# KiCad board panel.kicad_pcb (continued)
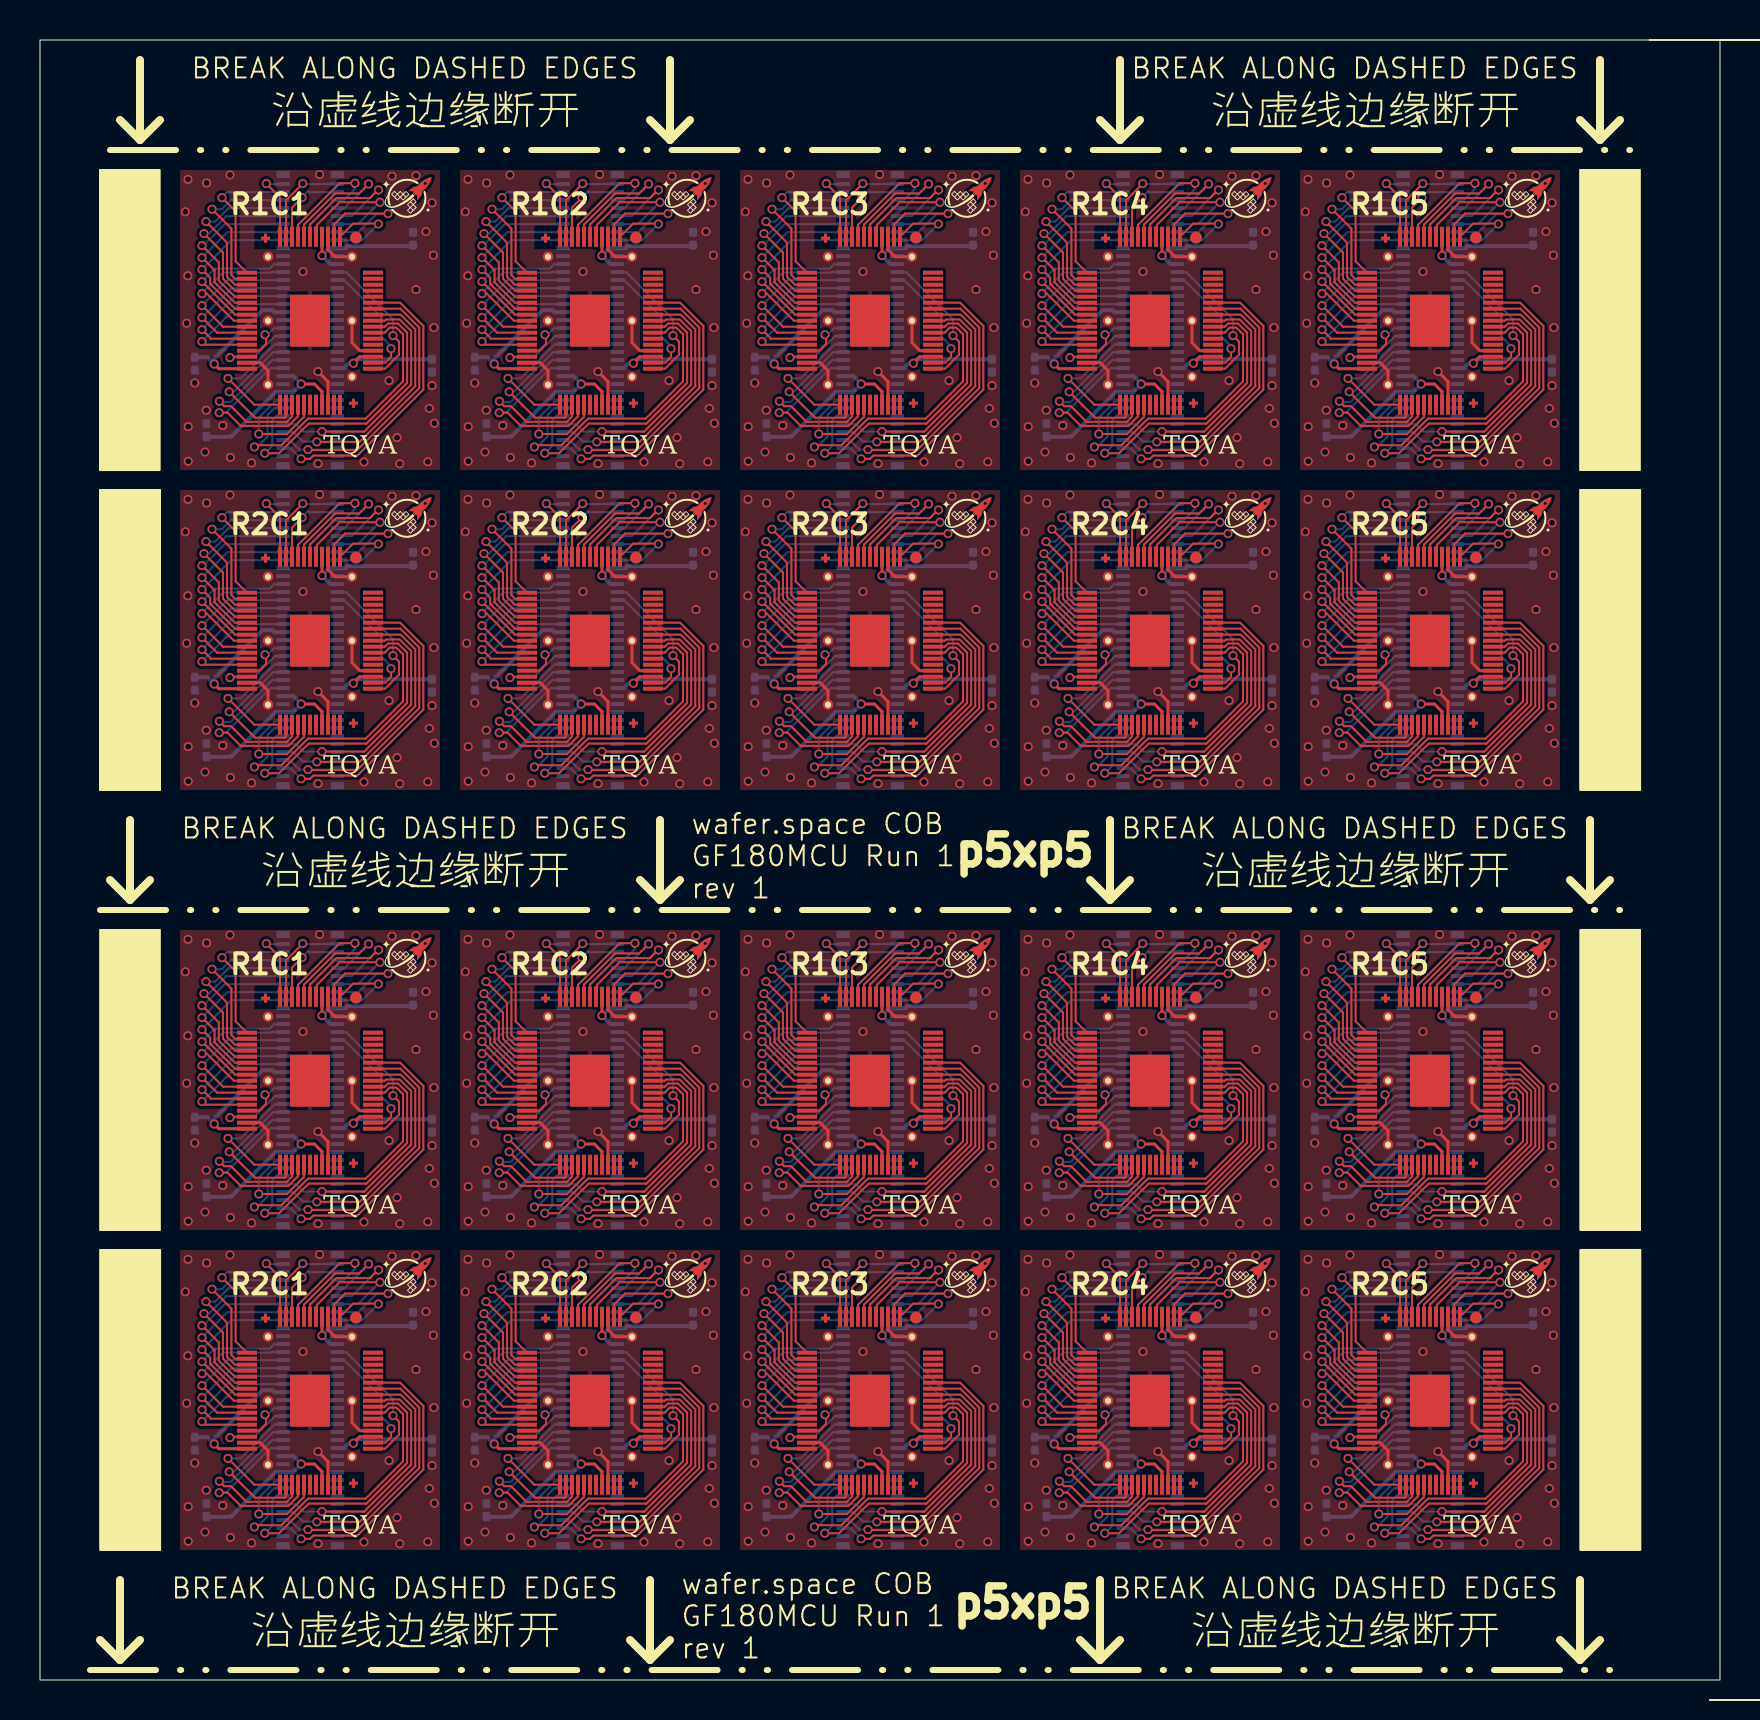
[diagram p0: board, top side]
## Routing (per net, layer and track width the routed paths; a pad name or vN(x,y) marks a point on that pad's centre or on a via; arc(x,y) is an arc through that point) (continued)
  Bottom w0.1: v1(42.1,46.42) 41.17,46.42 40.79,46.8 U115.40 ; v1(42.1,8.42) 41.17,8.42 40.79,8.8 U115#2.40 ; U103.40 26.79,62.8 27.17,62.42 v1(28.1,62.42) ; U111#2.40 12.79,8.8 13.17,8.42 v1(14.1,8.42) ; v1(42.1,24.42) 41.17,24.42 40.79,24.8 U105#2.40 ; v1(28.1,24.42) 27.17,24.42 26.79,24.8 U103#2.40 ; v1(56.1,46.42) 55.17,46.42 54.79,46.8 U117#2.40 ; v1(70.1,62.42) 69.17,62.42 68.79,62.8 U109.40 ; v1(70.1,24.42) 69.17,24.42 68.79,24.8 U109#2.40 ; U107#2.40 54.79,24.8 55.17,24.42 v1(56.1,24.42) ; v1(70.1,46.42) 69.17,46.42 68.79,46.8 U119.40 ; v1(14.1,24.42) 13.17,24.42 12.79,24.8 U101#2.40 ; v1(14.1,46.42) 13.17,46.42 12.79,46.8 U111.40 ; U117.40 54.79,8.8 55.17,8.42 v1(56.1,8.42) ; v1(56.1,62.42) 55.17,62.42 54.79,62.8 U107.40 ; v1(14.1,62.42) 13.17,62.42 12.79,62.8 U101.40 ; U113.40 26.79,8.8 27.17,8.42 v1(28.1,8.42) ; U113#2.40 26.79,46.8 27.17,46.42 v1(28.1,46.42) ; U119#2.40 68.79,8.8 69.17,8.42 v1(70.1,8.42) ; U105.40 40.79,62.8 41.17,62.42 v1(42.1,62.42)
/bidir_30: length 264.5
  Top w0.1: U106.49 46.03,30.27 46.76,29.53 46.76,26.69 43.98,23.91 v1(41.84,23.91) ; v1(13.84,23.91) 15.98,23.91 18.76,26.69 18.76,29.53 18.03,30.27 U102#2.49 ; U114#2.49 32.03,52.27 32.76,51.53 32.76,48.69 29.98,45.91 v1(27.84,45.91) ; v1(27.84,7.91) 29.98,7.91 32.76,10.69 32.76,13.53 32.03,14.27 U114.49 ; U118.49 60.03,52.27 60.76,51.53 60.76,48.69 57.98,45.91 v1(55.84,45.91) ; v1(69.84,45.91) 71.98,45.91 74.76,48.69 74.76,51.53 74.03,52.27 U120.49 ; U118#2.49 60.03,14.27 60.76,13.53 60.76,10.69 57.98,7.91 v1(55.84,7.91) ; U108#2.49 60.03,68.27 60.76,67.53 60.76,64.69 57.98,61.91 v1(55.84,61.91) ; U116.49 46.03,52.27 46.76,51.53 46.76,48.69 43.98,45.91 v1(41.84,45.91) ; U110.49 74.03,30.27 74.76,29.53 74.76,26.69 71.98,23.91 v1(69.84,23.91) ; U120#2.49 74.03,14.27 74.76,13.53 74.76,10.69 71.98,7.91 v1(69.84,7.91) ; U110#2.49 74.03,68.27 74.76,67.53 74.76,64.69 71.98,61.91 v1(69.84,61.91) ; U112#2.49 18.03,14.27 18.76,13.53 18.76,10.69 15.98,7.91 v1(13.84,7.91) ; U108.49 60.03,30.27 60.76,29.53 60.76,26.69 57.98,23.91 v1(55.84,23.91) ; v1(41.84,7.91) 43.98,7.91 46.76,10.69 46.76,13.53 46.03,14.27 U116#2.49 ; U112.49 18.03,52.27 18.76,51.53 18.76,48.69 15.98,45.91 v1(13.84,45.91) ; U102.49 18.03,68.27 18.76,67.53 18.76,64.69 15.98,61.91 v1(13.84,61.91) ; U106#2.49 46.03,68.27 46.76,67.53 46.76,64.69 43.98,61.91 v1(41.84,61.91) ; v1(27.84,23.91) 29.98,23.91 32.76,26.69 32.76,29.53 32.03,30.27 U104#2.49 ; v1(27.84,61.91) 29.98,61.91 32.76,64.69 32.76,67.53 32.03,68.27 U104.49
  Bottom w0.1: v1(69.84,23.91) 69.83,23.92 69.15,23.92 68.68,24.39 68.16,24.39 ; 68.16,8.39 68.68,8.39 69.15,7.92 69.83,7.92 v1(69.84,7.91) ; 26.15,46.39 26.68,46.39 27.15,45.92 27.83,45.92 v1(27.84,45.91) ; 54.15,8.39 54.68,8.39 55.15,7.92 55.83,7.92 v1(55.84,7.91) ; v1(27.84,61.91) 27.83,61.92 27.15,61.92 26.68,62.4 U103.39 ; v1(13.84,61.91) 13.83,61.92 13.15,61.92 12.68,62.4 U101.39 ; v1(13.84,23.91) 13.83,23.92 13.15,23.92 12.68,24.39 12.15,24.39 ; 26.15,8.39 26.68,8.39 27.15,7.92 27.83,7.92 v1(27.84,7.91) ; U109.39 68.68,62.4 69.15,61.92 69.83,61.92 v1(69.84,61.91) ; 40.15,46.39 40.68,46.39 41.15,45.92 41.83,45.92 v1(41.84,45.91) ; v1(55.84,61.91) 55.83,61.92 55.15,61.92 54.68,62.4 U107.39 ; v1(41.84,61.91) 41.83,61.92 41.15,61.92 40.68,62.4 U105.39 ; v1(55.84,45.91) 55.83,45.92 55.15,45.92 54.68,46.39 54.15,46.39 ; 54.15,24.39 54.68,24.39 55.15,23.92 55.83,23.92 v1(55.84,23.91) ; v1(27.84,23.91) 27.83,23.92 27.15,23.92 26.68,24.39 26.15,24.39 ; 40.15,24.39 40.68,24.39 41.15,23.92 41.83,23.92 v1(41.84,23.91) ; 12.15,8.39 12.68,8.39 13.15,7.92 13.83,7.92 v1(13.84,7.91) ; v1(13.84,45.91) 13.83,45.92 13.15,45.92 12.68,46.39 12.15,46.39 ; v1(41.84,7.91) 41.83,7.92 41.15,7.92 40.68,8.39 40.15,8.39 ; 68.16,46.39 68.68,46.39 69.15,45.92 69.83,45.92 v1(69.84,45.91)
/bidir_31: length 280.4
  Top w0.1: U106.50 46.02,30.56 46.96,29.62 46.96,26.6 43.87,23.51 41.41,23.51 v1(41.4,23.52) ; U118#2.50 60.02,14.56 60.96,13.62 60.96,10.6 57.87,7.51 55.41,7.51 v1(55.4,7.52) ; U108.50 60.02,30.56 60.96,29.62 60.96,26.6 57.87,23.51 55.41,23.51 v1(55.4,23.52) ; v1(27.4,7.52) 27.41,7.51 29.87,7.51 32.96,10.6 32.96,13.62 32.02,14.56 U114.50 ; U110.50 74.02,30.56 74.97,29.62 74.97,26.6 71.87,23.51 69.41,23.51 v1(69.4,23.52) ; v1(27.4,61.52) 27.41,61.51 29.87,61.51 32.96,64.6 32.96,67.62 32.02,68.56 U104.50 ; v1(13.4,61.52) 13.41,61.51 15.87,61.51 18.96,64.6 18.96,67.62 18.02,68.56 U102.50 ; U116.50 46.02,52.56 46.96,51.62 46.96,48.6 43.87,45.51 41.41,45.51 v1(41.4,45.52) ; v1(41.4,7.52) 41.41,7.51 43.87,7.51 46.96,10.6 46.96,13.62 46.02,14.56 U116#2.50 ; v1(13.4,7.52) 13.41,7.51 15.87,7.51 18.96,10.6 18.96,13.62 18.02,14.56 U112#2.50 ; v1(27.4,23.52) 27.41,23.51 29.87,23.51 32.96,26.6 32.96,29.62 32.02,30.56 U104#2.50 ; U106#2.50 46.02,68.56 46.96,67.62 46.96,64.6 43.87,61.51 41.41,61.51 v1(41.4,61.52) ; v1(69.4,61.52) 69.41,61.51 71.87,61.51 74.97,64.6 74.97,67.62 74.02,68.56 U110#2.50 ; v1(69.4,7.52) 69.41,7.51 71.87,7.51 74.97,10.6 74.97,13.62 74.02,14.56 U120#2.50 ; v1(69.4,45.52) 69.41,45.51 71.87,45.51 74.97,48.6 74.97,51.62 74.02,52.56 U120.50 ; v1(27.4,45.52) 27.41,45.51 29.87,45.51 32.96,48.6 32.96,51.62 32.02,52.56 U114#2.50 ; v1(55.4,61.52) 55.41,61.51 57.87,61.51 60.96,64.6 60.96,67.62 60.02,68.56 U108#2.50 ; U112.50 18.02,52.56 18.96,51.62 18.96,48.6 15.87,45.51 13.41,45.51 v1(13.4,45.52) ; v1(13.4,23.52) 13.41,23.51 15.87,23.51 18.96,26.6 18.96,29.62 18.02,30.56 U102#2.50 ; U118.50 60.02,52.56 60.96,51.62 60.96,48.6 57.87,45.51 55.41,45.51 v1(55.4,45.52)
  Bottom w0.1: v1(41.4,61.52) 40.97,61.52 40.49,62 40.15,62 ; v1(55.4,61.52) 54.97,61.52 54.49,62 54.15,62 ; v1(27.4,61.52) 26.97,61.52 26.49,62 26.15,62 ; U111.38 12.49,46 12.97,45.52 v1(13.4,45.52) ; U101#2.38 12.49,24 12.97,23.52 v1(13.4,23.52) ; v1(13.4,7.52) 12.97,7.52 12.49,8 U111#2.38 ; 12.15,62 12.49,62 12.97,61.52 v1(13.4,61.52) ; v1(69.4,45.52) 68.97,45.52 68.49,46 U119.38 ; v1(55.4,7.52) 54.97,7.52 54.49,8 U117.38 ; U119#2.38 68.49,8 68.97,7.52 v1(69.4,7.52) ; v1(55.4,45.52) 54.97,45.52 54.49,46 U117#2.38 ; v1(41.4,45.52) 40.97,45.52 40.49,46 U115.38 ; U105#2.38 40.49,24 40.97,23.52 v1(41.4,23.52) ; v1(69.4,23.52) 68.97,23.52 68.49,24 U109#2.38 ; v1(27.4,45.52) 26.97,45.52 26.49,46 U113#2.38 ; U107#2.38 54.49,24 54.97,23.52 v1(55.4,23.52) ; U113.38 26.49,8 26.97,7.52 v1(27.4,7.52) ; U103#2.38 26.49,24 26.97,23.52 v1(27.4,23.52) ; U115#2.38 40.49,8 40.97,7.52 v1(41.4,7.52) ; 68.16,62 68.49,62 68.97,61.52 v1(69.4,61.52)
/bidir_32: length 297
  Top w0.1: U104#2.51 32.01,30.87 33.17,29.7 33.17,26.52 29.87,23.22 27.67,23.22 27.51,23.06 v1(27.05,23.06) ; v1(41.05,45.06) 41.51,45.06 41.67,45.22 43.87,45.22 47.17,48.52 47.17,51.7 46.01,52.87 U116.51 ; v1(55.05,45.06) 55.51,45.06 55.67,45.22 57.87,45.22 61.17,48.52 61.17,51.7 60.01,52.87 U118.51 ; U106#2.51 46.01,68.87 47.17,67.7 47.17,64.52 43.87,61.22 41.67,61.22 41.51,61.06 v1(41.05,61.06) ; v1(55.05,23.06) 55.51,23.06 55.67,23.22 57.87,23.22 61.17,26.52 61.17,29.7 60.01,30.87 U108.51 ; v1(13.05,23.06) 13.51,23.06 13.67,23.22 15.87,23.22 19.17,26.52 19.17,29.7 18.01,30.87 U102#2.51 ; U110.51 74.01,30.87 75.17,29.7 75.17,26.52 71.87,23.22 69.67,23.22 69.51,23.06 v1(69.05,23.06) ; U116#2.51 46.01,14.87 47.17,13.7 47.17,10.52 43.87,7.22 41.67,7.22 41.51,7.06 v1(41.05,7.06) ; U104.51 32.01,68.87 33.17,67.7 33.17,64.52 29.87,61.22 27.67,61.22 27.51,61.06 v1(27.05,61.06) ; v1(41.05,23.06) 41.51,23.06 41.67,23.22 43.87,23.22 47.17,26.52 47.17,29.7 46.01,30.87 U106.51 ; U114.51 32.01,14.87 33.17,13.7 33.17,10.52 29.87,7.22 27.67,7.22 27.51,7.06 v1(27.05,7.06) ; v1(27.05,45.06) 27.51,45.06 27.67,45.22 29.87,45.22 33.17,48.52 33.17,51.7 32.01,52.87 U114#2.51 ; v1(69.05,7.06) 69.51,7.06 69.67,7.22 71.87,7.22 75.17,10.52 75.17,13.7 74.01,14.87 U120#2.51 ; v1(55.05,61.06) 55.51,61.06 55.67,61.22 57.87,61.22 61.17,64.52 61.17,67.7 60.01,68.87 U108#2.51 ; U110#2.51 74.01,68.87 75.17,67.7 75.17,64.52 71.87,61.22 69.67,61.22 69.51,61.06 v1(69.05,61.06) ; U120.51 74.01,52.87 75.17,51.7 75.17,48.52 71.87,45.22 69.67,45.22 69.51,45.06 v1(69.05,45.06) ; U112.51 18.01,52.87 19.17,51.7 19.17,48.52 15.87,45.22 13.67,45.22 13.51,45.06 v1(13.05,45.06) ; U112#2.51 18.01,14.87 19.17,13.7 19.17,10.52 15.87,7.22 13.67,7.22 13.51,7.06 v1(13.05,7.06) ; U118#2.51 60.01,14.87 61.17,13.7 61.17,10.52 57.87,7.22 55.67,7.22 55.51,7.06 v1(55.05,7.06) ; U102.51 18.01,68.87 19.17,67.7 19.17,64.52 15.87,61.22 13.67,61.22 13.51,61.06 v1(13.05,61.06)
  Bottom w0.1: v1(41.05,61.06) 40.52,61.59 U105.37 ; U113.37 26.52,7.59 v1(27.05,7.06) ; v1(55.05,61.06) 54.52,61.59 U107.37 ; v1(13.05,7.06) 12.52,7.59 U111#2.37 ; v1(27.05,45.06) 26.52,45.59 U113#2.37 ; v1(69.05,23.06) 68.52,23.59 U109#2.37 ; U115.37 40.52,45.59 v1(41.05,45.06) ; U103#2.37 26.52,23.59 v1(27.05,23.06) ; U117#2.37 54.52,45.59 v1(55.05,45.06) ; v1(13.05,45.06) 12.52,45.59 U111.37 ; v1(41.05,7.06) 40.52,7.59 U115#2.37 ; U107#2.37 54.52,23.59 v1(55.05,23.06) ; U119.37 68.52,45.59 v1(69.05,45.06) ; v1(69.05,61.06) 68.52,61.59 U109.37 ; v1(55.05,7.06) 54.52,7.59 U117.37 ; U105#2.37 40.52,23.59 v1(41.05,23.06) ; v1(69.05,7.06) 68.52,7.59 U119#2.37 ; U101#2.37 12.52,23.59 v1(13.05,23.06) ; v1(27.05,61.06) 26.52,61.59 U103.37 ; v1(13.05,61.06) 12.52,61.59 U101.37
/clk: length 91.8
  Top w0.1: U116#2.1 43.65,18.82 44.9,18.82 v1(44.92,18.8) ; v1(30.92,72.8) 30.9,72.82 29.65,72.82 U104.1 ; U110.1 71.66,34.82 72.9,34.82 v1(72.92,34.8) ; U114.1 29.65,18.82 30.9,18.82 v1(30.92,18.8) ; U116.1 43.65,56.82 44.9,56.82 v1(44.92,56.8) ; U112#2.1 15.65,18.82 16.9,18.82 v1(16.92,18.8) ; U118.1 57.65,56.82 58.9,56.82 v1(58.92,56.8) ; U118#2.1 57.65,18.82 58.9,18.82 v1(58.92,18.8) ; v1(72.92,72.8) 72.9,72.82 71.66,72.82 U110#2.1 ; v1(58.92,34.8) 58.9,34.82 57.65,34.82 U108.1 ; U104#2.1 29.65,34.82 30.9,34.82 v1(30.92,34.8) ; U112.1 15.65,56.82 16.9,56.82 v1(16.92,56.8) ; U106.1 43.65,34.82 44.9,34.82 v1(44.92,34.8) ; U106#2.1 43.65,72.82 44.9,72.82 v1(44.92,72.8) ; U120.1 71.66,56.82 72.9,56.82 v1(72.92,56.8) ; U120#2.1 71.66,18.82 72.9,18.82 v1(72.92,18.8) ; U102#2.1 15.65,34.82 16.9,34.82 v1(16.92,34.8) ; U102.1 15.65,72.82 16.9,72.82 v1(16.92,72.8) ; v1(30.92,56.8) 30.9,56.82 29.65,56.82 U114#2.1 ; U108#2.1 57.65,72.82 58.9,72.82 v1(58.92,72.8)
  Bottom w0.1: v1(72.92,72.8) 72.12,72 U109.8 ; v1(44.92,34.8) 44.12,34 U105#2.8 ; v1(16.92,56.8) 16.12,56 U111.8 ; v1(58.92,56.8) 58.12,56 U117#2.8 ; U119.8 72.12,56 v1(72.92,56.8) ; U111#2.8 16.12,18 v1(16.92,18.8) ; v1(58.92,34.8) 58.12,34 U107#2.8 ; v1(72.92,34.8) 72.12,34 U109#2.8 ; v1(58.92,18.8) 58.12,18 U117.8 ; v1(30.92,18.8) 30.12,18 U113.8 ; v1(30.92,72.8) 30.12,72 U103.8 ; v1(30.92,34.8) 30.12,34 U103#2.8 ; U101.8 16.12,72 v1(16.92,72.8) ; v1(44.92,72.8) 44.12,72 U105.8 ; v1(72.92,18.8) 72.12,18 U119#2.8 ; U113#2.8 30.12,56 v1(30.92,56.8) ; U115#2.8 44.12,18 v1(44.92,18.8) ; v1(16.92,34.8) 16.12,34 U101#2.8 ; v1(58.92,72.8) 58.12,72 U107.8 ; v1(44.92,56.8) 44.12,56 U115.8
/in_0: length 145.1
  Top w0.1: U112.40 17.26,49.56 17.95,50.26 17.95,50.92 v1(17.65,51.22) ; U110.40 73.26,27.56 73.95,28.26 73.95,28.92 v1(73.65,29.22) ; U118.40 59.26,49.56 59.95,50.26 59.95,50.92 v1(59.65,51.22) ; U112#2.40 17.26,11.56 17.95,12.26 17.95,12.92 v1(17.65,13.22) ; v1(17.65,67.22) 17.95,66.92 17.95,66.26 17.26,65.56 U102.40 ; v1(31.65,13.22) 31.95,12.92 31.95,12.26 31.26,11.56 U114.40 ; U114#2.40 31.26,49.56 31.95,50.26 31.95,50.92 v1(31.65,51.22) ; v1(59.65,67.22) 59.95,66.92 59.95,66.26 59.26,65.56 U108#2.40 ; v1(45.65,67.22) 45.95,66.92 45.95,66.26 45.26,65.56 U106#2.40 ; U106.40 45.26,27.56 45.95,28.26 45.95,28.92 v1(45.65,29.22) ; v1(45.65,13.22) 45.95,12.92 45.95,12.26 45.26,11.56 U116#2.40 ; U104#2.40 31.26,27.56 31.95,28.26 31.95,28.92 v1(31.65,29.22) ; v1(59.65,29.22) 59.95,28.92 59.95,28.26 59.26,27.56 U108.40 ; U116.40 45.26,49.56 45.95,50.26 45.95,50.92 v1(45.65,51.22) ; v1(31.65,67.22) 31.95,66.92 31.95,66.26 31.26,65.56 U104.40 ; U120#2.40 73.26,11.56 73.95,12.26 73.95,12.92 v1(73.65,13.22) ; v1(73.65,51.22) 73.95,50.92 73.95,50.26 73.26,49.56 U120.40 ; v1(17.65,29.22) 17.95,28.92 17.95,28.26 17.26,27.56 U102#2.40 ; U118#2.40 59.26,11.56 59.95,12.26 59.95,12.92 v1(59.65,13.22) ; v1(73.65,67.22) 73.95,66.92 73.95,66.26 73.26,65.56 U110#2.40
  Bottom w0.1: 28.87,54.39 29.29,54.39 31.65,52.04 v1(31.65,51.22) ; 56.87,32.39 57.29,32.39 59.65,30.04 v1(59.65,29.22) ; v1(31.65,67.22) 31.65,68.04 29.29,70.4 U103.12 ; 56.87,16.39 57.29,16.39 59.65,14.04 v1(59.65,13.22) ; v1(73.65,13.22) 73.65,14.04 71.3,16.39 70.87,16.39 ; v1(45.65,67.22) 45.65,68.04 43.29,70.4 U105.12 ; v1(31.65,29.22) 31.65,30.04 29.29,32.39 28.87,32.39 ; v1(17.65,29.22) 17.65,30.04 15.29,32.39 14.87,32.39 ; 56.87,54.39 57.29,54.39 59.65,52.04 v1(59.65,51.22) ; v1(73.65,51.22) 73.65,52.04 71.3,54.39 70.87,54.39 ; v1(73.65,67.22) 73.65,68.04 71.3,70.4 U109.12 ; v1(17.65,51.22) 17.65,52.04 15.29,54.39 14.87,54.39 ; 70.87,32.39 71.3,32.39 73.65,30.04 v1(73.65,29.22) ; U101.12 15.29,70.4 17.65,68.04 v1(17.65,67.22) ; v1(45.65,29.22) 45.65,30.04 43.29,32.39 42.87,32.39 ; v1(17.65,13.22) 17.65,14.04 15.29,16.39 14.87,16.39 ; 42.87,54.39 43.29,54.39 45.65,52.04 v1(45.65,51.22) ; 42.87,16.39 43.29,16.39 45.65,14.04 v1(45.65,13.22) ; v1(31.65,13.22) 31.65,14.04 29.29,16.39 28.87,16.39 ; U107.12 57.29,70.4 59.65,68.04 v1(59.65,67.22)
/in_1: length 123.3
  Top w0.1: U114.41 31.26,11.86 31.55,12.16 v1(31.55,12.57) ; U110#2.41 73.26,65.87 73.55,66.16 v1(73.55,66.57) ; v1(17.55,66.57) 17.55,66.16 17.26,65.87 U102.41 ; U120.41 73.26,49.86 73.55,50.16 v1(73.55,50.57) ; v1(45.55,12.57) 45.55,12.16 45.26,11.86 U116#2.41 ; v1(31.55,50.57) 31.55,50.16 31.26,49.86 U114#2.41 ; U106#2.41 45.26,65.87 45.55,66.16 v1(45.55,66.57) ; v1(17.55,50.57) 17.55,50.16 17.26,49.86 U112.41 ; v1(59.55,50.57) 59.55,50.16 59.26,49.86 U118.41 ; v1(59.55,28.57) 59.55,28.16 59.26,27.86 U108.41 ; v1(45.55,50.57) 45.55,50.16 45.26,49.86 U116.41 ; v1(45.55,28.57) 45.55,28.16 45.26,27.86 U106.41 ; v1(31.55,28.57) 31.55,28.16 31.26,27.86 U104#2.41 ; v1(73.55,28.57) 73.55,28.16 73.26,27.86 U110.41 ; U102#2.41 17.26,27.86 17.55,28.16 v1(17.55,28.57) ; v1(31.55,66.57) 31.55,66.16 31.26,65.87 U104.41 ; v1(59.55,66.57) 59.55,66.16 59.26,65.87 U108#2.41 ; U118#2.41 59.26,11.86 59.55,12.16 v1(59.55,12.57) ; v1(17.55,12.57) 17.55,12.16 17.26,11.86 U112#2.41 ; U120#2.41 73.26,11.86 73.55,12.16 v1(73.55,12.57)
  Bottom w0.1: v1(45.55,28.57) 45.55,28.69 45.06,29.18 45.06,30.13 43.2,32 U105#2.13 ; v1(59.55,66.57) 59.55,66.69 59.06,67.18 59.06,68.13 57.2,70 U107.13 ; U101#2.13 15.2,32 17.06,30.13 17.06,29.18 17.55,28.69 v1(17.55,28.57) ; U115#2.13 43.2,16 45.06,14.13 45.06,13.18 45.55,12.69 v1(45.55,12.57) ; v1(59.55,28.57) 59.55,28.69 59.06,29.18 59.06,30.13 57.2,32 U107#2.13 ; U119.13 71.2,54 73.06,52.13 73.06,51.18 73.55,50.69 v1(73.55,50.57) ; v1(73.55,66.57) 73.55,66.69 73.06,67.18 73.06,68.13 71.2,70 U109.13 ; U103.13 29.2,70 31.06,68.13 31.06,67.18 31.55,66.69 v1(31.55,66.57) ; U117#2.13 57.2,54 59.06,52.13 59.06,51.18 59.55,50.69 v1(59.55,50.57) ; v1(73.55,28.57) 73.55,28.69 73.06,29.18 73.06,30.13 71.2,32 U109#2.13 ; v1(73.55,12.57) 73.55,12.69 73.06,13.18 73.06,14.13 71.2,16 U119#2.13 ; v1(17.55,12.57) 17.55,12.69 17.06,13.18 17.06,14.13 15.2,16 U111#2.13 ; v1(59.55,12.57) 59.55,12.69 59.06,13.18 59.06,14.13 57.2,16 U117.13 ; U111.13 15.2,54 17.06,52.13 17.06,51.18 17.55,50.69 v1(17.55,50.57) ; U101.13 15.2,70 17.06,68.13 17.06,67.18 17.55,66.69 v1(17.55,66.57) ; v1(45.55,50.57) 45.55,50.69 45.06,51.18 45.06,52.13 43.2,54 U115.13 ; v1(31.55,28.57) 31.55,28.69 31.06,29.18 31.06,30.13 29.2,32 U103#2.13 ; v1(31.55,50.57) 31.55,50.69 31.06,51.18 31.06,52.13 29.2,54 U113#2.13 ; v1(45.55,66.57) 45.55,66.69 45.06,67.18 45.06,68.13 43.2,70 U105.13 ; U113.13 29.2,16 31.06,14.13 31.06,13.18 31.55,12.69 v1(31.55,12.57)
/rst_n: length 129
  Top w0.1: U118#2.2 56.7,18.77 57.25,19.32 v1(59.4,19.32) ; v1(17.4,73.32) 15.25,73.32 14.7,72.77 U102.2 ; U104.2 28.7,72.77 29.25,73.32 v1(31.4,73.32) ; U116#2.2 42.7,18.77 43.25,19.32 v1(45.4,19.32) ; U102#2.2 14.7,34.77 15.25,35.32 v1(17.4,35.32) ; U120#2.2 70.7,18.77 71.25,19.32 v1(73.4,19.32) ; v1(45.4,57.32) 43.25,57.32 42.7,56.77 U116.2 ; v1(73.4,35.32) 71.25,35.32 70.7,34.77 U110.2 ; v1(59.4,35.32) 57.25,35.32 56.7,34.77 U108.2 ; v1(73.4,57.32) 71.25,57.32 70.7,56.77 U120.2 ; U118.2 56.7,56.77 57.25,57.32 v1(59.4,57.32) ; v1(59.4,73.32) 57.25,73.32 56.7,72.77 U108#2.2 ; U114#2.2 28.7,56.77 29.25,57.32 v1(31.4,57.32) ; v1(31.4,19.32) 29.25,19.32 28.7,18.77 U114.2 ; v1(45.4,35.32) 43.25,35.32 42.7,34.77 U106.2 ; U104#2.2 28.7,34.77 29.25,35.32 v1(31.4,35.32) ; U112#2.2 14.7,18.77 15.25,19.32 v1(17.4,19.32) ; v1(45.4,73.32) 43.25,73.32 42.7,72.77 U106#2.2 ; v1(73.4,73.32) 71.25,73.32 70.7,72.77 U110#2.2 ; v1(17.4,57.32) 15.25,57.32 14.7,56.77 U112.2
  Bottom w0.1: v1(31.4,19.32) 30.85,19.32 29.93,18.39 28.87,18.39 ; v1(73.4,35.32) 72.85,35.32 71.93,34.39 70.87,34.39 ; 28.87,34.39 29.93,34.39 30.85,35.32 v1(31.4,35.32) ; U109.7 71.93,72.4 72.85,73.32 v1(73.4,73.32) ; v1(45.4,57.32) 44.85,57.32 43.93,56.39 42.87,56.39 ; v1(31.4,73.32) 30.85,73.32 29.93,72.4 U103.7 ; v1(45.4,19.32) 44.85,19.32 43.93,18.39 42.87,18.39 ; v1(45.4,73.32) 44.85,73.32 43.93,72.4 U105.7 ; 70.87,18.39 71.93,18.39 72.85,19.32 v1(73.4,19.32) ; 56.87,18.39 57.93,18.39 58.85,19.32 v1(59.4,19.32) ; 14.87,18.39 15.93,18.39 16.85,19.32 v1(17.4,19.32) ; 14.87,56.39 15.93,56.39 16.85,57.32 v1(17.4,57.32) ; 56.87,34.39 57.93,34.39 58.85,35.32 v1(59.4,35.32) ; 28.87,56.39 29.93,56.39 30.85,57.32 v1(31.4,57.32) ; v1(73.4,57.32) 72.85,57.32 71.93,56.39 70.87,56.39 ; 56.87,56.39 57.93,56.39 58.85,57.32 v1(59.4,57.32) ; U107.7 57.93,72.4 58.85,73.32 v1(59.4,73.32) ; 14.87,34.39 15.93,34.39 16.85,35.32 v1(17.4,35.32) ; v1(17.4,73.32) 16.85,73.32 15.93,72.4 U101.7 ; v1(45.4,35.32) 44.85,35.32 43.93,34.39 42.87,34.39

## Copper pours and planes (outline as drawn; the poured copper is in the pictures)
GND on Top, Bottom: 48.5,38 62.5,38 62.5,22 48.5,22
GND on Top, Bottom: 48.5,22 62.5,22 62.5,6 48.5,6
GND on Top, Bottom: 34.5,76 48.5,76 48.5,60 34.5,60
GND on Top, Bottom: 6.5,76 20.5,76 20.5,60 6.5,60
GND on Top, Bottom: 20.5,38 34.5,38 34.5,22 20.5,22
GND on Top, Bottom: 34.5,38 48.5,38 48.5,22 34.5,22
GND on Top, Bottom: 34.5,60 48.5,60 48.5,44 34.5,44
GND on Top, Bottom: 20.5,22 34.5,22 34.5,6 20.5,6
GND on Top, Bottom: 6.5,38 20.5,38 20.5,22 6.5,22
GND on Top, Bottom: 62.5,38 76.5,38 76.5,22 62.5,22
GND on Top, Bottom: 48.5,76 62.5,76 62.5,60 48.5,60
GND on Top, Bottom: 48.5,60 62.5,60 62.5,44 48.5,44
GND on Top, Bottom: 6.5,22 20.5,22 20.5,6 6.5,6
GND on Top, Bottom: 6.5,60 20.5,60 20.5,44 6.5,44
GND on Top, Bottom: 62.5,60 76.5,60 76.5,44 62.5,44
GND on Top, Bottom: 62.5,22 76.5,22 76.5,6 62.5,6
GND on Top, Bottom: 20.5,76 34.5,76 34.5,60 20.5,60
GND on Top, Bottom: 34.5,22 48.5,22 48.5,6 34.5,6
GND on Top, Bottom: 20.5,60 34.5,60 34.5,44 20.5,44
GND on Top, Bottom: 62.5,76 76.5,76 76.5,60 62.5,60

## Text on the board
B.Silkscreen: 70 PIN MEZZANINE / 56 PIN PADRING / VERSION: TQVA | wafer.space / GF180MCU Run 1
User.Eco2: Allocated Space / For Passives
F.Silkscreen: BREAK ALONG DASHED EDGES | wafer.space COB / GF180MCU Run 1 / rev 1 | R1C1 | R2C1 | R1C2 | R2C2 | R1C3 | R2C3 | R1C4 | R2C4 | R1C5 | R2C5 | 沿虚线边缘断开 | p5xp5 | TQVA
User.1: V-CUT
